# Altium PCB 遙控繼電器.PcbDoc
Units mil, origin at the board's own origin, x right, y up, seen from the top; angles counter-clockwise.
Board outline 1574.93 x 3740.41 mil, 4 copper layers (Top Layer, Layer 1, Layer 2, Bottom Layer), stack 23.756 mil thick; 24 components, 27 nets, 101 pads, 11 vias.
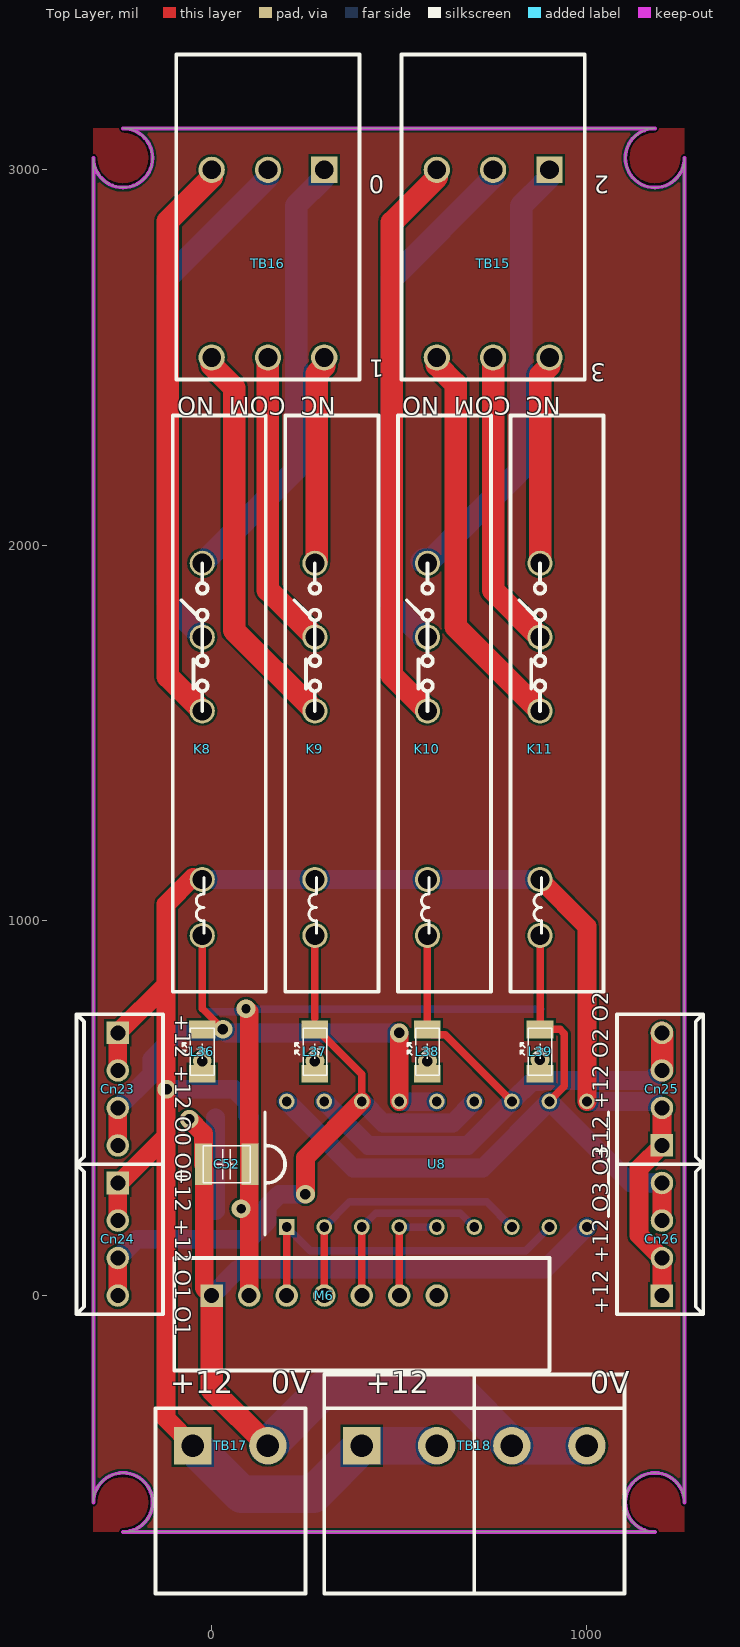
[diagram p0: Top Layer view]
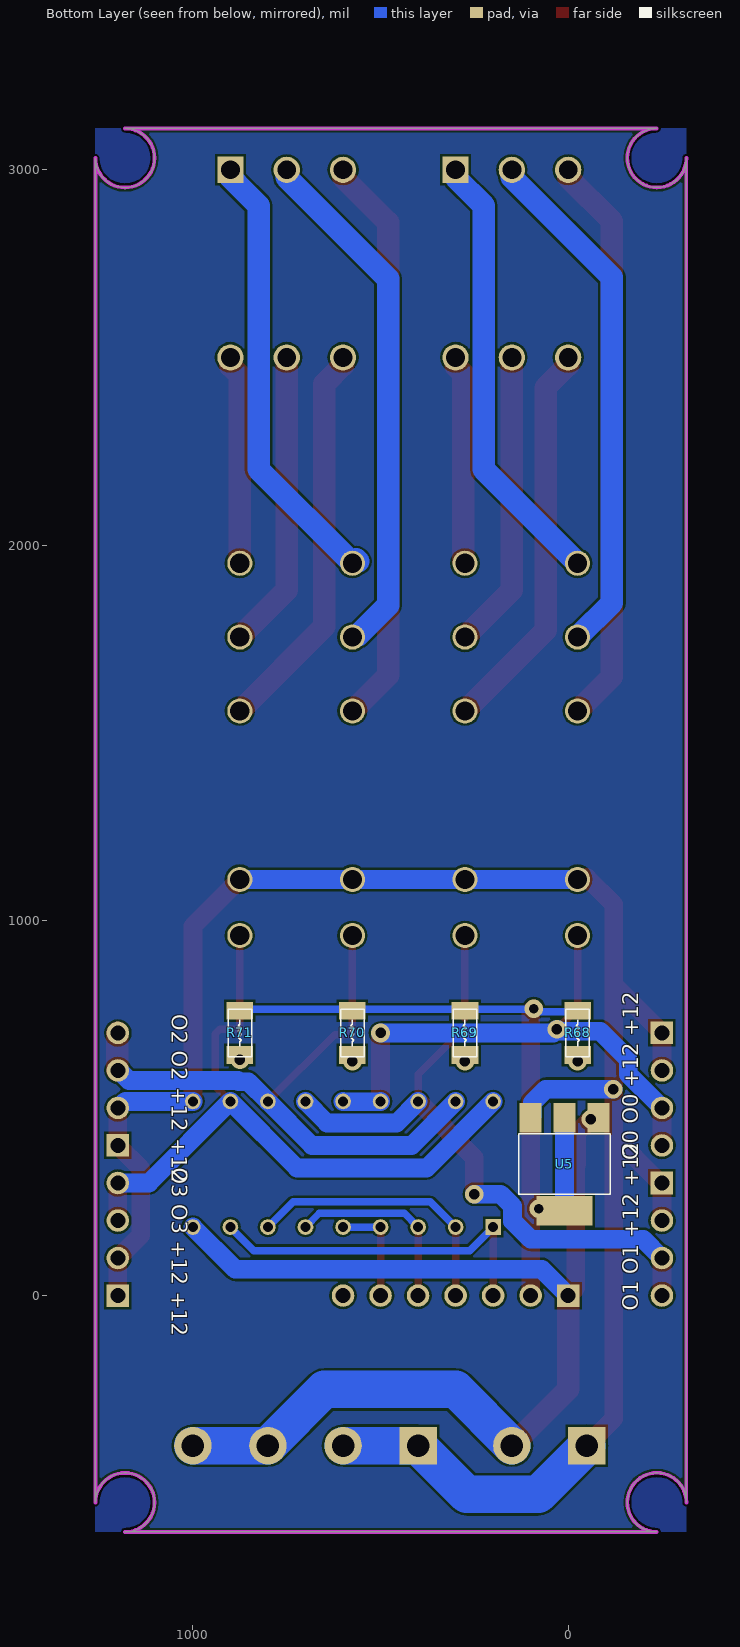
[diagram p1: Bottom Layer view, seen from below]

## Layer stack, top to bottom
Top Solder: solder mask 0.4, Solder Resist, Dk 3.5
Top Layer: signal copper 1.4
Dielectric 2: prepreg 2.8, PP-006, Dk 4.1
Layer 1: signal copper 1.378
Dielectric 1: dielectric 12.6, FR-4, Dk 4.8
Layer 2: signal copper 1.378
Dielectric 3: prepreg 2.8, PP-006, Dk 4.1
Bottom Layer: signal copper 1.4
Bottom Solder: solder mask 0.4, Solder Resist, Dk 3.5

## Board outline
-315.09,-551.18 cw(c-236.35,-551.18) -236.35,-629.92 -236.22,-629.92 1181.1,-629.92 1181.1,-630.05 cw(c1181.1,-551.31) 1259.84,-551.31 1259.84,-551.18 1259.84,3031.5 cw(c1181.1,3031.5) 1181.1,3110.24 -236.22,3110.24 -236.35,3110.36 cw(c-236.35,3031.62) -315.09,3031.62 -314.96,3031.5

## Design rules (kind name [scope] priority, off if disabled: settings)
Clearance [All] p1: gap=6 ignorepadtopadclearanceinfootprint=FALSE
ComponentClearance [All] p1: gap=0 collisioncheckmode=3 verticalgap=0 showdistances=FALSE
DiffPairsRouting [All] p1: maxlimit=10 minlimit=10 mostfreqgap=10 toplayer_minwidth=6 toplayer_maxwidth=15 toplayer_prefwidth=15 midlayer1_minwidth=6 midlayer1_maxwidth=15 midlayer1_prefwidth=15 midlayer2_minwidth=6 midlayer2_maxwidth=15 midlayer2_prefwidth=15 bottomlayer_minwidth=6 bottomlayer_maxwidth=15 bottomlayer_prefwidth=15 maxuncoupledlength=500
Height [All] p1: minheight=0 maxheight=2000 prefheight=500
PolygonConnect [All] p1: connectstyle=Relief reliefconductorwidth=10 reliefentries=4 polygonreliefangle="45 Angle" airgapwidth=10
RoutingVias [All] p1: holewidth=28 width=50 viastyle="Through Hole" minholewidth=10 minwidth=20 maxholewidth=50 maxwidth=100
SolderMaskExpansion [All] p1: expansion=4 istentingtop=FALSE
Width [All] p1: maxlimit=100 minlimit=6 preferedwidth=10 minimp=50.000000 maximp=50.000000 favimp=50.000000
27 further rules are at their usual default settings.

## Components (designator, comment, footprint, x,y, rotation, side; value= is the part's Value field where it differs from the comment)
C52 "1uF" CAP-1210 40,350 r180 top
Cn23 "KF2510-4" Connector_KF2510-4A -250,700 r0 top
Cn24 "KF2510-4" Connector_KF2510-4A -250,300 r0 top
Cn25 "KF2510-4" Connector_KF2510-4A 1200,400 r180 top
Cn26 "KF2510-4" Connector_KF2510-4A 1200,0 r180 top
K8 "G2R-1-24VDC" RELAY-HF41F-012-ZST -25,1754.72 r90 top
K9 "G2R-1-24VDC" RELAY-HF41F-012-ZST 275,1754.72 r90 top
K10 "G2R-1-24VDC" RELAY-HF41F-012-ZST 575,1754.72 r90 top
K11 "G2R-1-24VDC" RELAY-HF41F-012-ZST 875,1754.72 r90 top
L36 "藍" LED-1206 -25,650 r270 top
L37 "藍" LED-1206 275,650 r270 top
L38 "藍" LED-1206 575,650 r270 top
L39 "藍" LED-1206 875,650 r270 top
M6 "XR390" "XR390 Module" 0,0 r180 top
R68 "1K" Res-1206 -25,700 r90 bottom
R69 "1K" Res-1206 275,700 r90 bottom
R70 "1K" Res-1206 575,700 r90 bottom
R71 "1K" Res-1206 875,700 r90 bottom
TB15 "KF2EDGRT-5.08_6P" "Terminal block(KF2EDGRT-3.81_2*3P)" 750,3000 r180 top
TB16 "KF2EDGRT-5.08_6P" "Terminal block(KF2EDGRT-3.81_2*3P)" 150,3000 r180 top
TB17 "ZB25(2P)" "Terminal block(KF2EDGR-5.08 _2P)" -50,-400 r0 top
TB18 "KF2EDGRT-5.08_4P" "Terminal block(KF2EDGR-5.08 _4P)" 400,-400 r0 top
U5 "AMS1117-3.3V" "SOT 223" 10,360 r0 bottom
U8 "ULN2803A" DIP-18 600,350 r90 top

## Footprints (in the part's own frame and the unit in brackets; to place one, negate y for a bottom-side part, rotate by r counter-clockwise, add the part's x,y. Pads: shape width x height; smd on the part's side, far side on the other; paste and mask are expansions set on the pad)
CAP-1210 [mm] "電容 SMD"
  rect 1.15x2.8 smd: 1(-1.575,0) 2(1.575,0)
  silkscreen extent -1.6,-1.25 1.6,1.25, body extent -1.6,-1.23 1.6,1.27, height 0.95
Connector_KF2510-4A [mil] "防呆接頭(4P)"
  rect 60x60 hole 40: 1(0,0)
  round 60 hole 40: 2(0,-100) 3(0,-200) 4(0,-300)
  silkscreen extent -110,-350 120,50, body extent -114,-348 114,50, height 461
DIP-18 [mm] "DIP850W46P254L2324H393Q18N"
  rect 1.06x1.06 hole 0.66: 1(-4.25,10.16)
  round 1.06 hole 0.66: 2(-4.25,7.62) 3(-4.25,5.08) 4(-4.25,2.54) 5(-4.25,0) 6(-4.25,-2.54) 7(-4.25,-5.08) 8(-4.25,-7.62) 9(-4.25,-10.16) 10(4.25,-10.16) 11(4.25,-7.62) 12(4.25,-5.08) 13(4.25,-2.54) 14(4.25,0) 15(4.25,2.54) 16(4.25,5.08) 17(4.25,7.62) 18(4.25,10.16)
  silkscreen extent -4.78,-11.62 3.55,11.62, body extent -4.37,-11.62 4.37,11.62, height 3.93
LED-1206 [mm] "發光二極體 SMD-1206"
  rect 1.2x1.8 smd: 1(-1.5,0) 2(1.5,0)
  silkscreen extent -1.6,-1.35 1.6,0.8, body extent -1.6,-0.8 1.6,0.8, height 1.1
RELAY-HF41F-012-ZST [mm] "HF41F-012-ZST+41F-1Z-A"
  round 1.7 hole 1.3: 1(0,0) 2(5,0) 3(-5,0) 4(-16.4,0) 5(-20.2,0)
  silkscreen extent -24,-4.3 15,2
Res-1206 [mm] "1/4W電阻 SMD"
  rect 1.2x1.8 smd: 1(-1.5,0) 2(1.5,0)
  silkscreen extent -1.6,-0.8 1.6,0.8, body extent -1.6,-0.8 1.6,0.8, height 0.75
"SOT 223" [mm]
  rect 1.5x2 smd: 1(-2.3,-2.9) 2(0,-2.9) 3(2.3,-2.9)
  rect 3.8x2 smd: 2(0,3.4)
  silkscreen extent -3.1,-1.8 3.1,2.3, body extent -3.25,-3.23 3.25,3.73, height 1.7
"Terminal block(KF2EDGR-5.08 _2P)" [mil] "端子台(KF2EDGR-5.08 _2P))"
  rect 100x100 hole 60: 1(0,0)
  round 100 hole 60: 2(200,0)
  silkscreen extent -100,-394 300,100, body extent -100,-839 300,39, height 622
"Terminal block(KF2EDGR-5.08 _4P)" [mil] "端子台(KF2EDGR-5.08 _4P)"
  rect 100x100 hole 60: 1(0,0)
  round 100 hole 60: 2(200,0) 3(400,0) 4(600,0)
  silkscreen extent -100,-394 700,100, body extent -100,-839 700,39, height 622
"Terminal block(KF2EDGRT-3.81_2*3P)" [mil] "端子台(KF2EDGRT-3.81_6P)"
  rect 70x70 hole 50: 1(-150,0)
  round 70 hole 50: 2(0,0) 3(150,0) 4(-150,500) 5(0,500) 6(150,500)
  silkscreen extent -244,-307 244,559, body extent -225,-636 225,546, height 1125
"XR390 Module" [mil] "遙控器模組"
  rect 60x60 hole 40: 1(0,0)
  round 60 hole 40: 2(-100,0) 3(-200,0) 4(-300,0) 5(-400,0) 6(-500,0) 7(-600,0)
  silkscreen extent -900,-100 100,200

## Part data
C52: library part Cap, "電容", ComponentLink1Description=datasheet, ComponentLink1URL=https://product.tdk.com/system/files/dam/doc/product/capacitor/ceramic/mlcc/catalog/mlcc_commercial_general_en.pdf
Cn23 Cn24 Cn25 Cn26: library part Contact(4P), "接線端子"
K8 K9 K10 K11: library part Relay, "繼電器"
L36 L37 L38 L39: library part LED, "LED"
M6: "遙控器模組"
R68 R69 R70 R71: library part Res, "電阻"
TB15 TB16: library part "Terminal block(6P)", "端子台"
TB17: library part "Terminal block(2P)", "端子台"
TB18: library part "Terminal block(4P)", "端子台"
U5: library part AMS1117, "降壓IC,LOD"
U8: library part TBD62083A, "閘極驅動器 P型 50V 0.5A", Manufacturer_Name=Toshiba, Manufacturer_Part_Number=TBD62083AFNG,EL, Mouser Part Number=757-TBD60183AFNGEL, ComponentLink1Description=datasheet, ComponentLink1URL=https://www.mouser.tw/datasheet/2/408/TBD62083AFNG_datasheet_en_20160511-769697.pdf, Datasheet Link=chrome-extension://efaidnbmnnnibpcajpcglclefindmkaj/https://www.mouser.tw/datasheet/2/408/TBD62083AFWG_datasheet_en_20160511-769679.pdf, Geometry.Height=1.55mm, Mouser Price/Stock=https://www.mouser.co.uk/ProductDetail/Toshiba/TBD62183AFNGEL?qs=lYGu3FyN48dJ%2FQ%2FqZoTqjQ%3D%3D

## Via types
v1: diameter 50, hole 28, Top Layer to Bottom Layer, tented both sides, 9 vias
v2: diameter 50, hole 25, Top Layer to Bottom Layer, tented both sides, 2 vias

## Nets (pads, with @x,y where several pads share a name; then routed paths per layer and width w, separated by ;. In a path a pad name is that pad's centre, name@x,y a point inside that pad or via, vN(x,y) a via of type N, cw(c..) or ccw(c..) an arc to the next point about the centre after c; other vN are vias at no path point)
+5: C52.1 M6.2 R68.2 R69.2 R70.2 R71.2 U5.2 | length 1913.2
  Top Layer w50: v2(91.49,764.66) 100,756.16 M6.2
  Bottom Layer w20: R68.2@-16.63,756.63 83.47,756.63 v2(91.49,764.66) ; v2@91.49,762.99 R71.2@877.01,762.99
  Bottom Layer w50: U5.2@10,226.14 U5.2@10,474.17
  other v2: 78.33,231.67
+12: Cn23.1 Cn23.2 Cn24.1 Cn24.2 Cn25.1 Cn25.2 Cn26.1 Cn26.2 K8.4 K9.4 K10.4 K11.4 TB17.1 TB18.1 TB18.2 U5.3 U8.10 | length 5466.6
  Top Layer w50: Cn24.2 Cn24.1 -245,305 -240.83,305 -121.48,424.35 ; Cn23.2 Cn23.1 -121.48,828.52 ; TB17.1 -121.48,-328.52 -121.48,424.35 ; K8.4@-50,1114.06 -121.48,1042.57 -121.48,828.52 ; K11.4 1000,984.06 U8.10 ; Cn26.1 Cn26.2 1139,161 1139,339 Cn25.1 Cn25.2 ; -121.48,424.35 -121.48,828.52
  Bottom Layer w50: v1(-120,550) 60,550 96.02,513.98 96.02,478.7 U5.3 ; K8.4 K9.4 K10.4 K11.4 ; U8.10 1179.97,517.32 1197.29,500 Cn25.2
  Bottom Layer w100: TB17.1 80,-530 270,-530 TB18.1 TB18.2
COM0: K8.1 TB16.2 | length 1373.3
  Bottom Layer w60: K8.1 -116.48,1846.2 -116.48,2713.24 TB16.2@150,2979.72
COM1: K9.1 TB16.5 | length 776.8
  Top Layer w60: TB16.5@150,2479.72 150,1879.72 K9.1
COM2: K10.1 TB15.2 | length 1365
  Bottom Layer w60: K10.1@560,1759.72 480,1839.72 480,2709.72 TB15.2@750,2979.72
COM3: K11.1 TB15.5 | length 769.7
  Top Layer w60: TB15.5@750,2479.72 750,2450 750,1879.72 K11.1@870,1759.72
D0: M6.3 U8.1 U8.8 | length 934.6
  Top Layer w20: M6.3 U8.1
  Bottom Layer w20: U8.1 262.68,120 837.32,120 U8.8
D1: M6.4 U8.2 U8.7 | length 738.4
  Top Layer w20: M6.4 U8.2
  Bottom Layer w20: U8.2 367.32,250 732.68,250 U8.7
D2: M6.5 U8.3 U8.6 | length 513.6
  Top Layer w20: M6.5 U8.3
  Bottom Layer w20: U8.3 437.32,220 662.68,220 U8.6
D3: M6.6 U8.4 U8.5 | length 282.7
  Top Layer w20: M6.6 U8.4
  Bottom Layer w20: U8.4 U8.5
GND: C52.2 M6.1 TB17.2 TB18.3 TB18.4 U5.1 U8.9 | length 3006.9
  Top Layer w50: v1(-60,470) -22.01,432.01 C52.2 -20,347.99 -20,20 M6.1
  Top Layer w60: M6.1 0,-250 TB17.2
  Bottom Layer w50: M6.1 70,70 887.32,70 U8.9
  Bottom Layer w100: TB17.2 300,-250 650,-250 TB18.3 TB18.4
NC0: K8.3 TB16.3 | length 1508
  Top Layer w60: K8.3 -116.48,1649.35 -116.48,2863.24 TB16.3@0,2979.72
NC1: K9.3 TB16.6 | length 1035.8
  Top Layer w60: TB16.6@0,2479.72 60,2419.72 60,1772.87 K9.3
NC2: K10.3 TB15.3 | length 1510.9
  Top Layer w60: K10.3 480,1652.87 480,2859.72 TB15.3@600,2979.72
NC3: K11.3 TB15.6 | length 1035.8
  Top Layer w60: TB15.6@600,2479.72 650,2429.72 650,1782.87 K11.3
NetL36_2: L36.2 R68.1
  other v1: -25,625
NetL37_2: L37.2 R69.1
  other v1: 275,625
NetL38_2: L38.2 R70.1
  other v1: 575,625
NetL39_2: L39.2 R71.1
  other v1: 874.66,628.96
NO0: K8.2 TB16.1 | length 1162.8
  Bottom Layer w60: K8.2 225,2201.57 225,2904.72 TB16.1@300,2979.72
NO1: K9.2 TB16.4 | length 538.5
  Top Layer w60: K9.2 275,1953.45 280,1958.45 280,2457.02 300,2477.02 TB16.4@300,2479.72
NO2: K10.2 TB15.1 | length 1169.8
  Bottom Layer w60: K10.2@560,1956.57 K10.2@565,1961.57 ; K10.2 825,2201.57 825,2904.72 885.14,2964.86 TB15.1@900,2979.72
NO3: K11.2 TB15.4 | length 538.5
  Top Layer w60: K11.2 875,2452.02 900,2477.02 TB15.4@900,2479.72
O0: Cn23.3 Cn23.4 K8.5 L36.1 U8.14 U8.15 | length 1520.3
  Top Layer w20: K8.5 -25,765 v1(30,710)
  Top Layer w50: Cn23.4 Cn23.3 ; U8.15 v1(500,700)
  Bottom Layer w50: Cn23.3 -160,590 -160,630 -85.57,704.43 23.28,704.43 28.84,710 v1(30,710) 40,700 v1(500,700) ; U8.15 501.01,516.31 598.99,516.31 U8.14
O1: Cn24.3 Cn24.4 K9.5 L37.1 U8.13 U8.16 | length 1817.4
  Top Layer w20: 275,738.78 K9.5 ; L37.1@277.25,712.45 400,589.7 U8.16
  Top Layer w50: Cn24.4 Cn24.3 ; v1(250,270) 250,367.32 U8.16
  Bottom Layer w50: Cn24.3 -200,150 100,150 148.13,198.13 148.13,238.13 180,270 v1(250,270) ; U8.16 457.32,460 642.68,460 U8.13
O2: Cn25.3 Cn25.4 K10.5 L38.1 U8.12 U8.17 | length 1687.1
  Top Layer w20: K10.5 L38.1 588.62,695.43 621.89,695.43 U8.12
  Top Layer w60: Cn25.3 1201,601 1201,699 Cn25.4
  Bottom Layer w50: U8.17 417.32,400 682.68,400 U8.12 852.68,570 877.67,570 880.64,572.96 883.96,572.96 884.32,573.32 1170.62,573.32 1197.29,600 Cn25.3
O3: Cn26.3 Cn26.4 K11.5 L39.1 U8.11 U8.18 | length 1855.1
  Top Layer w20: K11.5 L39.1 875.95,710 928.28,710 940,698.28 940,557.32 U8.11
  Top Layer w50: Cn26.3 Cn26.4
  Bottom Layer w50: U8.18 377.32,340 722.68,340 U8.11 1117.32,300 Cn26.4
pads on no net: M6.7

## Polygon pours and split planes (outlines as drawn)
no net on Bottom Layer "NONET_L04_P000" (solid, pour order 0): -314.96,-629.92 1259.84,-629.92 1259.84,3110.24 -314.96,3110.24
no net on Top Layer "NONET_L01_P001" (solid, pour order 1): -314.96,-629.92 1259.84,-629.92 1259.84,3110.24 -314.96,3110.24

## Keep-outs
Keep-Out Layer:
  lines w10: -315.09,-551.18 cw(c-236.35,-551.18) -236.35,-629.92 ; -315.09,3031.62 ccw(c-236.35,3031.62) -236.35,3110.36 ; -314.96,-551.18 -314.96,3031.5 ; -236.22,-629.92 1181.1,-629.92 ; -236.22,3110.24 1181.1,3110.24 ccw(c1181.1,3031.5) 1259.84,3031.5 1259.84,-551.18 ; 1181.1,-630.05 cw(c1181.1,-551.31) 1259.84,-551.31

## Silkscreen, mask and mechanical layers (free items; w line width, h text height)
Top Overlay:
  lines w10: 300,-300 300,-210 700,-210 ; 700,-300 700,-210 ; 1100,-300 1100,-210 700,-210
  text "0" at 460,2999.72 h80 r180
  text "2" at 1060,2999.72 h80 r180
  text "1" at 460,2509.72 h80 r180
  text "3" at 1050,2499.72 h80 r180
  text "NC  COM  NO" at 330,2409.72 h80 r180
  text "NC  COM  NO" at 930,2409.72 h80 r180
  text "+12 +12 O0 O0" at -110,750 h70 r270
  text "+12 +12 O2 O2" at 1070,360 h70 r90
  text "+12 +12 O1 O1" at -110,340 h70 r270
  text "+12 +12 O3 O3" at 1070,-50 h70 r90
  text "+12    0V" at -110,-280 h100
  text "+12                 0V" at 410,-280 h100
Bottom Overlay:
  text "O2 O2 +12 +12" at 1070,750 h70 r90
  text "O0 O0 +12 +12" at -200,360 h70 r270
  text "O3 O3 +12 +12" at 1070,340 h70 r90
  text "O1 O1 +12 +12" at -200,-40 h70 r270